# Allegro board V851S_V851SE_PER1_STD_QFN88_V1_0.brd (continued)
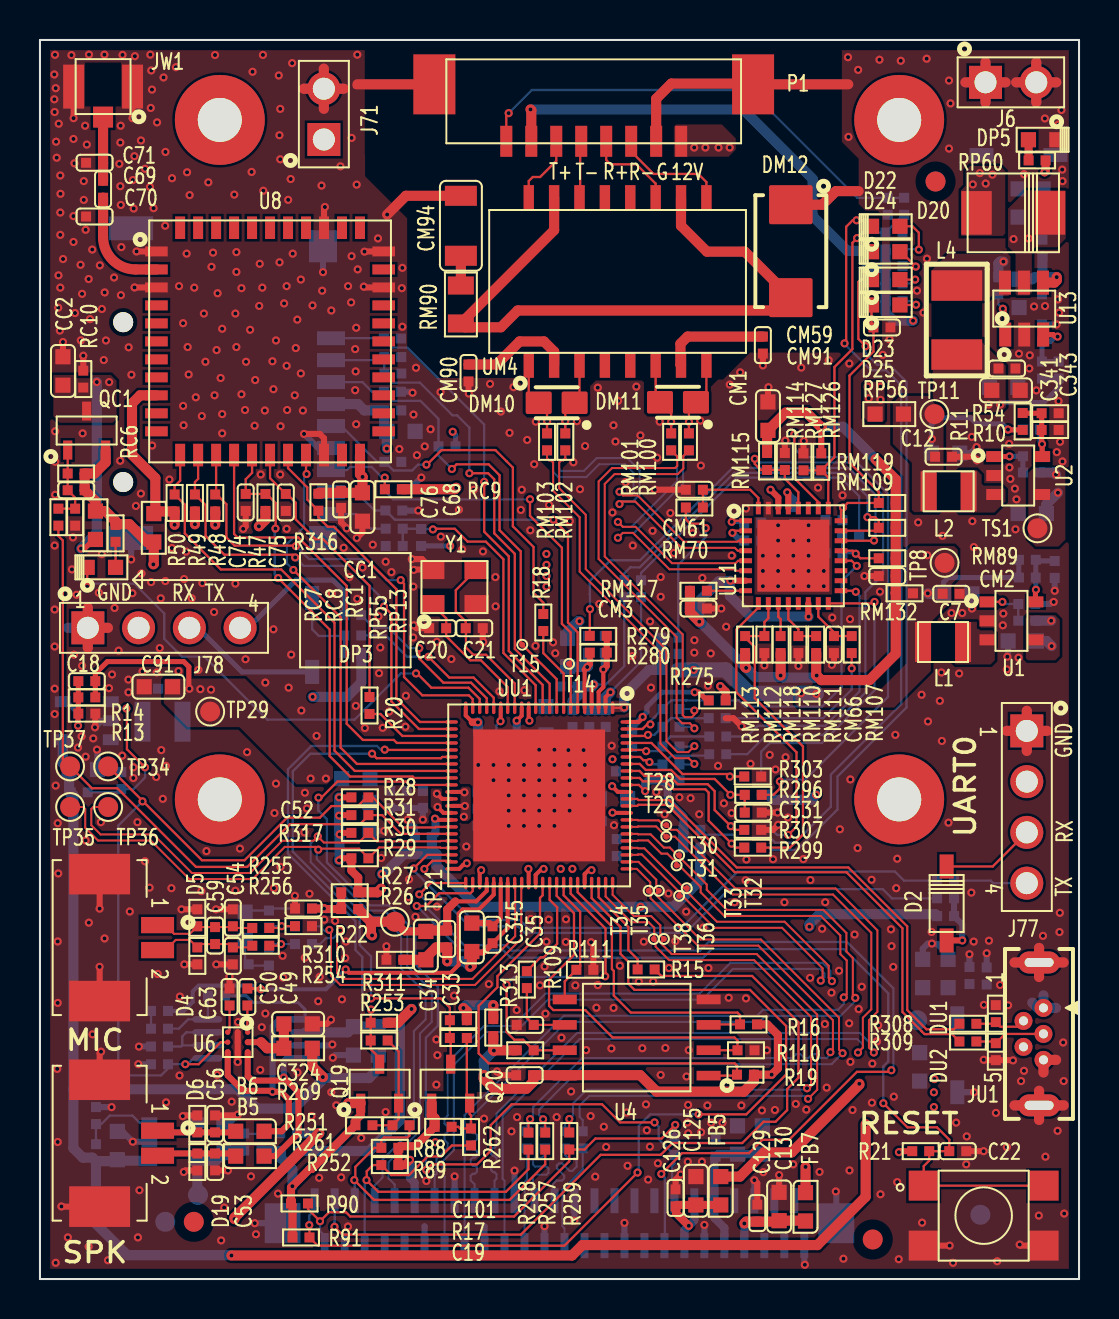
[diagram p0: board, top side]
## Footprints (pads in the part's own frame, mm; a bottom-side part is the same pattern mirrored in y, then rotated) (continued)
SUB_WIFI44B1200_1200H150
  rect 1.13x0.5 smd: 1(-5.688,4.5) 2(-5.688,3.6) 3(-5.688,2.7) 4(-5.688,1.8) 5(-5.688,0.9) 6(-5.688,0) 7(-5.688,-0.9) 8(-5.688,-1.8) 9(-5.688,-2.7) 10(-5.688,-3.6) 11(-5.688,-4.5) 23(5.688,-4.5) 24(5.688,-3.6) 25(5.688,-2.7) 26(5.688,-1.8) 27(5.688,-0.9) 28(5.688,0) 29(5.688,0.9) 30(5.688,1.8) 31(5.688,2.7) 32(5.688,3.6) 33(5.688,4.5)
  rect 0.5x1.13 smd: 12(-4.5,-5.688) 13(-3.6,-5.688) 14(-2.7,-5.688) 15(-1.8,-5.688) 16(-0.9,-5.688) 17(0,-5.688) 18(0.9,-5.688) 19(1.8,-5.688) 20(2.7,-5.688) 21(3.6,-5.688) 22(4.5,-5.688) 34(4.5,5.688) 35(3.6,5.688) 36(2.7,5.688) 37(1.8,5.688) 38(0.9,5.688) 39(0,5.688) 40(-0.9,5.688) 41(-1.8,5.688) 42(-2.7,5.688) 43(-3.6,5.688) 44(-4.5,5.688)
TP30
  round 0.3 smd: 1(0,0)
TP100
  round 1 smd: 1(0,0)
unnamed#2
  round 1 smd: 1(0,0)
unnamed#3
  round 4.5 hole 2.2: (0,0)
X4B250_320H120_SMD
  rect 0.95x1.2 smd: 1(-0.875,1.1) 2(-0.875,-1.1) 3(0.875,-1.1) 4(0.875,1.1)
ZIK_DIP_CN_UB315-F05G1BR-A_A_1
  round 0.9 hole 0.45: 1(-1.3,0) 2(-0.65,-1) 3(0,0) 4(0.65,-1) 5(1.3,0)
  oval 1.1x2.1 hole 0.45x1.45: 6(3.575,-0.22) 7(-3.575,-0.22)

## Nets
12V-IN: D20.1 D21.2 P1.1
AGND: C33.2 C34.2 C35.1 C345.2 R22.2 UU1.51(AGND)
AVCC: C33.1 C34.1 R21.2 R26.2 R315.2 TP21.1(TP) UU1.48(AVCC)
AVDD10-1: CM63.2 U11.2(AVDD10)
DVDD10-1: CM64.2 U11.29(DVDD10)
GND: C1.1 C2.1 C3.1 C4.1 C5.1 C6.1 C7.1 C9.1 C10.1 C11.1 C12.1 C14.1 C15.1 C16.1 C19.1 C20.1 C21.1 C22.1 C23.2 C24.2 C25.2 C26.2 C27.2 C28.2 C29.2 C30.2 C31.2 C50.1 C52.2 C53.2 C54.2 C56.2 C62.1 C63.1 C68.2 C70.1 C71.1 C74.2 C75.2 C76.2 C88.1 C91.1 C92.1 C93.1 C94.1 C98.2 C99.2 C100.2 C101.1 C102.2 C125.1 C126.1 C127.1 C128.1 C129.1 C130.1 C131.1 C324.1 C326.2 C327.2 C328.2 C329.2 C330.2 C331.1 C332.1 C333.1 C334.2 C335.2 C336.2 C337.2 C338.2 C339.1 C341.1 C343.1 C344.1 CC2.1 CC3.1 CD1.2 CD2.2 CD3.2 CM1.1 CM2.1 CM3.1 CM59.1 CM60.1 CM61.1 CM63.1 CM64.1 CM65.1 CM66.1 CM90.1 CM91.1 CM94.1 CS9.1 CS10.1 D4.1(ANODE) D5.1(ANODE) D6.1(ANODE) D19.1(ANODE) D21.1 DC1.1(ANODE) DC2.1(ANODE) DC3.1(ANODE) DC4.1(ANODE) DC5.1(ANODE) DC6.1(ANODE) DC7.1(ANODE) DC8.1(ANODE) DM12.2 DP4.1 DP5.2 DU1.1(ANODE) DU2.1(ANODE) DU3.1(ANODE) J5.3 J5.4 J6.1 J6.2 J24.4(GND0) J24.12(GND1) J24.15(GND2) J24.18(GND3) J24.21(GND4) J24.24(GND5) J24.27(GND6) J24.32(GND7) J24.40(GND8) J24.43(GND9) J24.45(GND10) J24.50(GND11) J24.51(GND12) J24.52(GND13) J71.2 J73.3 J73.4 J77.1 J78.1 JC1.6(VSS) JC1.10(GND1) JC1.11(GND2) JC1.12(GND3) JC1.13(GND4) JU1.5(GND) JU1.6(SHIELD1) JU1.7(SHIELD2) JW1.1(G1) JW1.2(G2) K1.2 K1.4 P1.2 P1.9(SH1) P1.10(SH2) R5.2 R8.1 R10.2 R13.2 R22.1 R36.2 R38.2 R54.2 R110.2 R111.2 R303.1 R307.1 R312.1 R317.2 RC5.2 RC8.1 RC10.1 RM106.1 RM110.2 RM112.2 RM114.2 RM120.2 RM127.2 U1.2(GND) U2.2(GND) U3.2(GND) U4.4(VSS) U5.7(GND) U6.B1(AGND1) U6.B2(AGND2) U6.B3(PGND) U8.1(GND1) U8.3(GND2) U8.20(GND3) U8.31(GND4) U8.33(GND5) U8.36(GND6) U11.31(CKXTAL1) U11.33(EPAD) U12.2(GND) U13.2(GND) UU1.89(EPAD) Y1.2(GND1) Y1.4(GND2)
VCC33-PF: RC2.2 RC3.2
VCC-5V: B4.2 C4.2 C10.2 C15.2 C93.2 C341.2 C342.2 C343.2 C344.2 FB6.2 L4.2 R3.1 R7.2 R9.1 R12.1 R98.1 R269.2 RP59.2 TS1.1(TP) U1.4(IN) U2.4(IN) U3.4(IN) U12.1(IN)
VCC-CARD0-3.3V: CC2.2 CC3.2 DC5.2(CATHODE) JC1.4(VDD) QC1.3(D) RC1.2 RC10.2
VCC-DRAM: C31.1 CD1.1 CD2.1 CD3.1 RP58.2 UU1.34(VCC_DRAM0) UU1.36(VCC_DRAM1)
VCC-IO: C98.1 C99.1 C100.1 C102.1 C334.1 R23.1 R280.1 RC9.2 RP57.2 UU1.5(VCC33_PF&PD) UU1.44(VCC_IO) UU1.47(VDD33) UU1.55(VCC-PC) UU1.78(VCC33-USB)
VCC-LDOA: C335.1 C336.1 C337.1 C338.1 J24.11(IOVDD(1.8V)) Q19.1(G) Q20.1(G) R88.2 R89.2 R90.2 R91.2 R108.2 R251.2 R252.2 R300.1 R314.1 UU1.14(VCC_LDOA&PLL) UU1.37(VDD18-DRAM) UU1.62(VCC_PA_MCSI)
VCC-PE: C88.2 R310.2 R311.2 R313.2 R314.2 UU1.22(VCC_PE)
VCC-WIFI: C68.1 C76.1 R47.1 R48.1 R49.1 R50.1 R316.1 RP13.2 U8.9(VBAT) U8.22(VDDIO)
VDD-SYS: C23.1 C24.1 C25.1 C26.1 C27.1 C28.1 C29.1 C30.1 R275.1 R278.1 R282.1 RP56.2 UU1.13(VDD_SYS0) UU1.17(VDD_SYS1) UU1.33(VDD_SYS2) UU1.35(VDD_SYS3) UU1.54(VDD_SYS4) UU1.75(VDD_SYS5)
ANT: C69.1 C70.2 U8.2(WL_BT_ANT)
CARD-PWROFF: R31.2 RC7.1 TP37.1(TP) UU1.39(PH13/JTAG_DO/TWI3_SCK/SPI3_MISO)
CPUX-RX: R106.1 UU1.42(PH10/PWM10/TWI3_SDA/UART0_RX)
CPUX-TX: R24.1 UU1.43(PH9/PWM9/TWI3_SCK/UART0_TX)
DC-IN: C1.2 C2.2 C3.2 DP4.2 DU3.2(CATHODE) JU1.1(VBUS) RP59.1 TP5.1(TP)
DCDC1-3V3: C5.2 C7.2 C8.1 C19.2 CC1.2 FB5.2 L1.2 QC1.2(S) R6.1 R16.1 R17.1 R19.1 R27.2 R28.1 R29.1 R30.1 R31.1 R239.2 R284.1 R297.1 R313.1 RC1.1 RC6.2 RM98.2 RM104.2 RM105.2 RM128.2 RM129.2 RM132.2 RP13.1 RP55.1 RP57.1 RP60.1 TP8.1(TP) U4.8(VCC)
DCDC2-0V9: C11.2 C12.2 C13.1 L2.2 R11.1 RP56.1 TP11.1(TP)
DCDC3-1V5: C18.1 C91.2 C92.2 L3.2 R14.1 RP58.1 TP29.1(TP)
DCIN-12V: CS9.2 CS10.2 D20.2 FB7.2 R4.1 U13.5(IN)
DCXO-XIN: C20.2 UU1.16(DXIN) Y1.1(XIN)
DCXO-XOUT: C21.2 UU1.15(DXOUT) Y1.3(XOUT)
EPHY-RXN: R305.1 RM100.1
EPHY-RXP: R304.1 RM101.1
EPHY-TXN: R302.1 RM102.1
EPHY-TXP: R301.1 RM103.1
GPADC0: C22.2 K1.1 K1.3 R21.1 UU1.46(GPADC0)
IR-CUT-CTRL+: J24.9(IR-CUT-CTRL+(3.3VGPIO)) R29.2 TP35.1(TP) UU1.41(PH11/JTAG_MS/TWI2_SCK/SPI3_CLK/)
IR-CUT-CTRL-: J24.7(IR-CUT-CTRL-(3.3VGPIO)) R30.2 TP36.1(TP) UU1.40(PH12/JTAG_CK/TWI2_SDA/SPI3_MOSI)
IR-LED-EN-PWM: J24.36(IR-LED_EN_PWM/GPIO) UU1.45(PH0/PWM0)
LDO-1V8: R94.2 R108.1 R315.1
LED0/PMEB: CM59.2 D25.2 RM119.2 RM120.1 U11.24(LED0_AD0)
LED1-AD1: CM60.2 D24.2 RM126.2 RM127.1 RM131.1 U11.25(LED1_AD1)
LED-REC: DP3.2 UU1.20(PE11/NCSI_D7/CSI_SM_VS/UART2_CT)
LINEOUTP: C49.1 C58.1 UU1.49(LINEOUTP)
LINK-LED: D22.2 R306.1 RM130.1
MBIAS: C52.1 R26.1 R27.1 R32.2
MCSI-CKN: J24.20(MIPI_CK0N/NCSI_D9) T29.1(TP) UU1.73(PA1/MIPIA_RX_CK0N)
MCSI-CKP: J24.19(MIPI_CK0P/NCSI_D8) T28.1(TP) UU1.74(PA0/MIPIA_RX_CK0P)
MCSI-D0N: J24.14(MIPI_D0N/NCSI_D13) T33.1(TP) UU1.69(PA5/MIPIA_RX_D0N)
MCSI-D0P: J24.13(MIPI_D0P/NCSI_D12) T32.1(TP) UU1.70(PA4/MIPIA_RX_D0P)
MCSI-D1N: J24.17(MIPI_D1N/NCSI_D10) T30.1(TP) UU1.72(PA2/MIPIA_RX_D1N)
MCSI-D1P: J24.16(MIPI_D1P/NCSI_D11) T31.1(TP) UU1.71(PA3/MIPIA_RX_D1P)
MIC1N-MIC: C59.1 C63.2 D4.2(CATHODE) J5.2 R256.1
MIC1P-MIC: C54.1 C59.2 D5.2(CATHODE) J5.1 R255.1
MICIN1N: C61.2 UU1.52(MICIN1N)
MICIN1P: C57.2 UU1.53(MICIN1P)
MIPI-CSI-D2N: J24.23(MIPI_D2N/NCSI_D14) R263.2
MIPI-CSI-D2P: J24.22(MIPI_D2P/NCSI_D15) R264.2
MIPI-CSI-D3N: J24.26(MIPI_D3N/TWI3_SCK) R265.2
MIPI-CSI-D3P: J24.25(MIPI_D3P/TWI3_SDA) R266.2
MIPI-CSI-MCLK0: J24.3(MIPI_MCLK0/NCSI_D0) R15.2
MIPI-CSI-PWDN0: J24.2(MIPI_PWDN0/NCSI_D7) R90.1 R259.2 R268.2
MIPI-CSI-SCK: J24.5(TWI1_SCK/NCSI_D2) R88.1 R257.2 R261.2
MIPI-CSI-SDA: J24.6(TWI1_SDA/NCSI_D3) R89.1 R258.2 R262.2
PA6: R257.1 R263.1 T35.1(TP) UU1.68(PA6/MIPIB_RX_D0N/TWI1_SCK/PWM0)
PA7: R258.1 R264.1 T34.1(TP) UU1.67(PA7/MIPIB_RX_D0P/TWI1_SDA/PWM1)
PA8: R265.1 T36.1(TP) UU1.66(PA8/MIPIB_RX_D1N/TWI4_SCK/TWI3_)
PA9: R259.1 R266.1 T38.1(TP) UU1.65(PA9/MIPIB_RX_D1P/TWI4_SDA/TWI3_)
PA11: J24.1(MIPI_RSTN0/NCSI_D6) R91.1 UU1.63(PA11/MIPIB_RX_CK0P/MIPI_CSI_MCL)
PA-SHDN: R28.2 R36.1 TP34.1(TP) U5.1(SHDN#) U6.C2(CTRL) UU1.38(PH14/JTAG_DI/TWI3_SDA/SPI3_CS0/)
PE8-TWI1-SCK: Q19.3(D) R254.1 R310.1 UU1.27(PE8/NCSI_D4/MDC/PWM8/WIEGAND_D0)
PE9-TWI1-SDA: Q20.3(D) R253.1 R311.1 UU1.28(PE9/NCSI_D5/MDIO/PWM9/WIEGAND_D)
PHY-AVDD33: CM1.2 CM2.2 CM3.2 RM89.1 RM109.2 RM111.1 RM113.1 RM115.1 RM117.1 RM118.1 RM119.1 RM126.1 RM132.1 U11.7(AVDD33_0) U11.14(DVDD33) U11.30(AVDD33)
PHYRSTB: CM65.2 RM89.2 RM108.2 U11.21(PHYRSTB)
RMII-25MOUT: R283.1 RM70.2
RMII-CRS-DV: R296.1 U11.26(CRS/CRS_DV)
RMII-MDC: R279.1 U11.22(MDC)
RMII-MDI0+: RM94.1 U11.3(MDI[0]+)
RMII-MDI0-: RM95.1 U11.4(MDI[0]-)
RMII-MDI1+: RM96.1 U11.5(MDI[1]+)
RMII-MDI1-: RM97.1 U11.6(MDI[1]-)
RMII-MDIO: R277.1 RM109.1 U11.23(MDIO)
RMII-RESET: R281.1 RM108.1
RMII-RXD0: R295.1 U11.9(RXD0)
RMII-RXD1: R299.1 RM112.1 RM113.2 U11.10(RXD1)
RMII-RXER: R293.1 RM114.1 RM115.2 U11.28(RXER/FXEN)
RMII-TXCK: R287.1 RM107.1
RMII-TXD0: R289.1 U11.16(TXD0)
RMII-TXD1: R291.1 U11.17(TXD1)
RMII-TXEN: R285.1 U11.20(TXEN)
RSET: RM106.2 U11.1(RSET)
RX+: P1.4 UM4.11(RX+)
RX-: P1.3 UM4.9(RX-)
RXD2/INTB: RM118.2 U11.11(RXD2/INTB)
RXD3: RM110.1 RM111.2 U11.12(RXD3/CLK_CTL)
RXDV: RM117.2 U11.8(RXDV)
SDC0-CLK: DC3.2(CATHODE) JC1.5(CLK) R18.2
SDC0-CMD: DC8.2(CATHODE) JC1.3(CMD) RC3.1 T15.1(TP) UU1.9(PF3/SDC0_CMD/JTAG_DO/SPI0_CS0/S)
SDC0-D0: DC2.2(CATHODE) JC1.7(DAT0) RC9.1 T14.1(TP) UU1.7(PF1/SDC0_D0/JTAG_DI/SPI0_MOSI/S)
SDC0-D1: DC1.2(CATHODE) JC1.8(DAT1) UU1.6(PF0/SDC0_D1/JTAG_MS/SPI0_CLK/SP)
SDC0-D2: DC7.2(CATHODE) JC1.1(DAT2) UU1.11(PF5/SDC0_D2/JTAG_CK)
SDC0-D3: DC6.2(CATHODE) JC1.2(DAT3) RC5.1 UU1.10(PF4/SDC0_D3/UART0_RX/SPI0_CS1/S)
SDC0-DET: DC4.2(CATHODE) J71.1 RC2.1 RC4.2 UU1.12(PF6/DBG_CLK)
SPD-LED: D23.2 R298.1
SPI0-CLK: C101.2 R109.2 U4.6(CLK)
SPI0-CS0: R19.2 U4.1(CS#) UU1.56(PC1/SPF_CS0/SDC2_CMD/SPI0_CS0)
SPI0-HOLD: R17.2 U4.7(HOLD#) UU1.60(PC5/SPF_HOLD/SDC2_D3/SPI0_HOLD/)
SPI0-MISO: R110.1 U4.2(MISO) UU1.58(PC3/SPF_MISO/SDC2_D1/SPI0_MISO/)
SPI0-MOSI: R111.1 U4.5(MOSI) UU1.59(PC2/SPF_MOSI/SDC2_D2/SPI0_MOSI/)
SPI0-WP: R16.2 U4.3(WP#) UU1.61(PC4/SPF_WP/SDC2_D0/SPI0_WP/PWM4)
SPK+: B5.1 U5.8(VO2) U6.A3(VOP)
SPK-: B6.1 R34.2 U5.5(VO1) U6.C3(VON)
TX+: P1.6 UM4.16(TX+)
TX-: P1.5 UM4.14(TX-)
TX-CLK: CM66.2 RM107.2 U11.15(TXC)
UART0-RX: D2.2 J77.3
UART0-TX: J77.4 R24.2
UART3-RX: R238.1 UU1.18(PE13/NCSI_D9/MIPI_CSI_MCLK1/UAR)
UART3-TX: R237.1 UU1.19(PE12/NCSI_D8/MIPI_CSI_MCLK0/UAR)
USB0-DM: R308.1 UU1.77(USB0_DM)
USB0-DP: R309.1 UU1.76(USB0_DP)
VRA1: C35.2 C345.1 UU1.50(VRA1)
WL-REG-ON: R50.2 U8.12(WL_REG_ON) UU1.30(PE6/NCSI_D2/RMII_TXEN/PWM6/UART)
WL-SDIO-CLK: C75.1 R20.1 U8.17(SDIO_DATA_CLK)
WL-SDIO-CMD: C74.1 R47.2 U8.16(SDIO_DATA_CMD) UU1.31(PE1/NCSI_MCLK/RMII_TXCK/I2S1_BC)
WL-SDIO-D0: R316.2 U8.18(SDIO_DATA_0) UU1.23(PE2/NCSI_HSYNC/RMII_CRS_DV/I2S1)
WL-SDIO-D1: U8.19(SDIO_DATA_1) UU1.29(PE3/NCSI_VSYNC/RMII_RXD0/I2S1_D)
WL-SDIO-D2: R48.2 U8.14(SDIO_DATA_2) UU1.21(PE4/NCSI_D0/R/RMII_TXD0/I2S1_DO)
WL-SDIO-D3: U8.15(SDIO_DATA_3) UU1.26(PE5/NCSI_D1/RMII_TXD1/PWM5/SDC1)
WL-WAKE-AP: R49.2 U8.13(WL_HOST_WAKE) UU1.24(PE7/NCSI_D3/RMII_RXER/PWM7/UART)
WRITE-LED-EN-PWM: J24.37(GPIO) R268.1 UU1.32(PE10/NCSI_D6/EPHY_25M/PWM10/UAR)
XTAL2: CM61.2 RM70.1 U11.32(CKXTAL2)
N19690820: C8.2 R5.1 R6.2 U1.5(FB)
N19690853: L1.1 U1.3(LX)
N19693512: C13.2 R10.1 R11.2 R54.1 U2.5(FB)
N19693534: L2.1 U2.3(LX)
N19707906: C6.2 R3.2 U1.1(EN)
N19708424: C9.2 R9.2 U2.1(EN)
N19757553: C16.2 R94.1 TP12.1(TP) U12.5(OUT)
N19757724: C14.2 R12.2 U12.3(EN)
N19777048: C69.2 C71.2 JW1.3(TX/RX)
N19799486: CC1.1 QC1.1(G) RC6.1 RC7.2 RC8.2
N19799669: JC1.9(CD#) RC4.1
N19944591: DU2.2(CATHODE) JU1.3(D+) R309.2
N19944616: DU1.2(CATHODE) JU1.2(D-) R308.2
N19947916: C18.2 R13.1 R14.2 U3.5(FB)
N19947953: L3.1 U3.3(LX)
N19948107: C94.2 R98.2 U3.1(EN)
N20071344: C57.1 R33.2 R255.2 R317.1
N20071346: C61.1 R37.2 R256.2
N20071621: C60.2 R32.1 R33.1
N20071647: C60.1 R37.1 R38.1
N20072707: D2.1 R23.2 R106.2
N20075664: B6.2 C56.1 D6.2(CATHODE) J73.1
N20075677: B4.1 C62.2 U5.6(VDD)
N20075684: B5.2 C53.1 D19.2(CATHODE) J73.2
N20075692: R34.1 R35.2 U5.4(IN-)
N20075694: C131.2 U5.2(BYPASS) U5.3(IN+)
N20075795: C58.2 R35.1
N20076696: C49.2 U6.A1(INP)
N20076701: C50.2 U6.C1(INN)
N20076983: C324.2 R269.1 U6.A2(VDD)
N20080221: Q19.2(S) R251.1 R254.2 R261.1
N20080254: Q20.2(S) R252.1 R253.2 R262.1
N20089362: DM10.1 RM94.2 RM103.2 UM4.1(TD+)
N20089370: DM10.2 RM95.2 RM102.2 UM4.3(TD-)
N20089378: DM11.1 RM96.2 RM101.2 UM4.6(RD+)
N20089380: DM11.2 RM97.2 RM100.2 UM4.8(RD-)
N20089454: CM90.2 UM4.2(TCT)
N20089468: CM91.2 UM4.7(RCT)
N20089530: DM12.1 RM90.1 UM4.10(RCM) UM4.15(TCM)
N20089542: CM94.2 RM90.2
N20117400: C125.2 C126.2 FB5.1 J24.38(VCC-3V3_0) J24.39(VCC-3V3_1)
N20117404: C127.2 C128.2 FB6.1 J24.41(VCC-5V-0) J24.42(VCC-5V-1)
N20118452: C129.2 C130.2 FB7.1 J24.44(VCC-12V)
N20126497: D22.1 RM98.1
N20126683: D23.1 RM104.1
N20130207: D24.1 RM129.1
N20130411: D25.1 RM128.1
N20132480: J78.4 R237.2
N20132488: D18.2 J78.3
N20132490: D18.1 R238.2 R239.1
N20133291: DP3.1 RP55.2
N20143336: R20.2 UU1.25(PE0/NCSI_PCLK/RMII_RXD1/I2S1_MC)
N20144528: C331.2 C333.2 R296.2 R297.2 UU1.82(PD3/LCD_D5/PWM2/RMII_CRS_DV/DSI)
N20144565: C326.1 R275.2 UU1.88(VDD_SYS6)
N20144574: C327.1 R277.2 R278.2 UU1.4(PD21/LCD_VSYNC/MDIO/SPI2_CS0/TW)
N20144622: C328.1 R279.2 R280.2 UU1.3(PD20/LCD_HSYNC/PWM10/MDC/SPI2_M)
N20144670: C329.1 R281.2 R282.2 UU1.2(PD19/LCD_DE/PWM9/TCON_TRIG/SPI2)
N20144718: C330.1 R283.2 R284.2 UU1.1(PD18/LCD_CLK/EPHY_25M/SPI2_CLK/)
N20144766: R285.2 R305.2 UU1.87(PD8/LCD_D12/PWM7/RMII_TXEN)
N20144784: R287.2 R304.2 UU1.86(PD7/LCD_D11/PWM6/RMII_TXCK/DSI_)
N20144810: R289.2 R303.2 UU1.85(PD6/LCD_D10/PWM5/RMII_TXD0/DSI_)
N20144816: R291.2 R302.2 UU1.84(PD5/LCD_D7/PWM4/RMII_TXD1/DSI_C)
N20144842: R293.2 R301.2 UU1.83(PD4/LCD_D6/PWM3/RMII_RXER/DSI_D)
N20144848: R295.2 R307.2 UU1.81(PD2/LCD_D4/PWM1/RMII_RXD0/DSI_D)
N20144923: R298.2 R299.2 UU1.80(PD1/LCD_D3/PWM0/RMII_RXD1/DSI_D)
N20144951: C332.2 R300.2 R306.2 UU1.79(VCC18_MDSI)
N20147418: R109.1 UU1.57(PC0/SPF_CLK/SDC2_CLK/SPI0_CLK)
N20147728: R15.1 UU1.64(PA10/MIPIB_RX_CK0N/MIPI_CSI_MCL)
N20158515: C339.2 R4.2 R312.2 U13.4(EN)
N20158521: C342.1 R7.1 R8.2 U13.3(FB)
N20158531: C340.2 L4.1 U13.6(LX)
N20158533: C340.1 U13.1(BS)
N20159510: P1.8 RM130.2 RM131.2
N20159587: P1.7 RM105.1
N20192813: DP5.1 RP60.2
N20209636: R18.1 UU1.8(PF2/SDC0_CLK/UART0_TX/SPI0_MISO)

Pads without a net: J24 8 10 28 29 30 31 33 34 35 46 47 48 49; J77 2; J78 2; JU1 4; NOREF#2 1; NOREF#10 1; NOREF#13 1; NOREF#14 1; NOREF#15 1; NOREF#17 1; U8 4 5 6 7 8 10 11 21 23 24 25 26 27 28 29 30 32 34 35 37 38 39 40 41 42 43 44; U11 13 18 19 27; U12 4; UM4 4 5 12 13

## Via types
v1: diameter 0.406, hole 0.203, TOP to BOTTOM, 1010 vias

## Routing (per net, layer and track width the routed paths; a pad name or vN(x,y) marks a point on that pad's centre or on a via; arc(x,y) is an arc through that point)
12V-IN:
  vias: v1(32.74,56.62) v1(33.3,56.62) v1(33.96,56.62) v1(34.52,56.62) v1(46.68,54.77) v1(47.03,55.34) v1(47.33,54.82) v1(47.66,55.26)
AGND: length 9.8
  TOP w0.203: UU1.51 23.41,17.56 C35.1
  TOP w0.305: C345.2 21.66,16.34 22.19,16.34 C35.1
  TOP w0.508: v1(21.52,15.62) 21.61,15.71 C345.2 ; R22.2 18.19,15.97 C34.2 19.31,16.08 19.82,16.59 C33.2 v1(20.38,15.9)
  BOTTOM w0.508: v1(20.38,15.9) 21.25,15.9 v1(21.52,15.62)
AVCC: length 65.8
  TOP w0.203: 20.79,18.9 21.83,18.9 22.36,19.42 UU1.48
  TOP w0.305: v1(42.99,6.35) 43.04,6.4 R21.2
  TOP w0.406: TP21.1 18.25,17.39 C34.1 ; C33.1 20.38,18.49 20.79,18.9
  TOP w0.508: R26.2 16.56,17.88 ; 16.56,17.88 TP21.1 ; 16.56,17.88 16.56,17.25 v1(16.62,17.19) ; C33.1 19.36,17.44 C34.1 ; v1(9.74,3) 9.74,3.07 13.96,7.3 v1(13.98,7.3)
  PWR03 w0.508: v1(13.98,7.3) 15.31,7.3 17.2,9.18 17.2,14.31 16.62,14.89 v1(16.62,17.19) ; v1(9.74,3) 9.76,2.97 9.76,2.26 10.46,1.57 38.21,1.57 v1(42.99,6.35)
  BOTTOM w0.508: R315.2 v1(13.98,7.3)
AVDD10-1: length 1.5
  TOP w0.114: U11.2 34.76,37.44 v1(34.65,37.33)
  BOTTOM w0.305: v1(34.65,37.33) 35.03,36.95 CM63.2
DVDD10-1: length 1.7
  TOP w0.305: v1(37.4,39.37) 37.45,39.31 U11.29
  BOTTOM w0.305: v1(37.4,39.37) 37.74,39.02 CM64.2
GND: length 225
  TOP w0.305: J73.3 2.99,11.31 v1(3.06,11.38) ; U8.3 v1(4.73,49.62) ; v1(16.24,51.41) 16.25,51.42 U8.33 ; v1(47.23,10.97) 47.25,10.95 DU2.1 48.68,10.95 v1(48.69,10.94) ; U8.20 14.22,42.07 14,42.29 v1(13.22,42.29) ; C130.1 v1(36.99,5.2) ; v1(35.75,4.95) 35.9,4.8 C129.1 ; CC2.1 v1(1.15,46.89) ; v1(15.35,37.56) 15.35,37.59 15.07,37.87 C76.2 ; C21.1 22.16,31.9 v1(22.18,31.87) ; CM61.1 v1(30.77,39.49) ; RM127.2 38.21,41.91 v1(38.23,41.93) ; C56.2 9.82,8.19 9.86,8.23 v1(9.9,8.23) ; v1(9.48,15.14) 9.49,15.13 C50.1 ; C63.1 v1(8.82,15.74) ; v1(22.87,10.39) 23.05,10.2 C19.1 ; R22.1 v1(17.34,16.65) ; RM112.2 v1(36.25,30.71) ; 34.32,28.06 34.7,28.06 v1(35.11,27.66) ; C12.1 46.72,41.14 v1(46.9,40.97) ; C20.1 18.85,32.57 v1(18.7,32.71) ; C68.2 16.14,37.36 v1(15.86,37.08) ; v1(9.9,10.86) U6.B3 U6.B2 U6.B1 ; v1(14.56,12.98) 14.35,12.77 C324.1 ; v1(2.75,27.61) 2.77,27.63 R13.2 ; CM91.1 v1(36.18,45.72) ; v1(37.3,41.95) 37.28,41.93 RM114.2 ; U8.36 14.22,53.6 v1(14.26,53.64) ; CM66.1 39.73,30.86 39.63,30.76 v1(39.63,30.73) ; D19.1 7.27,5.43 v1(7.2,5.36) ; R307.1 36.69,22.48 v1(36.94,22.73) ; C74.2 10.3,37.67 v1(10.17,37.54) ; 15.8,59.69 15.89,59.78 ; CM2.1 v1(41.26,35.18) ; U8.1 v1(4.83,51.42) ; C54.2 v1(8.81,18.5) ; v1(32.06,5.23) 31.81,4.98 C126.1 ; C53.2 v1(9.41,5.43) ; JW1.2 v1(1.68,58.09) ; CM1.1 36.43,44.57 36.46,44.6 v1(36.46,44.62) ; v1(7.15,8.15) 7.17,8.15 7.21,8.19 D6.1 ; J5.3 v1(2.99,18.53) ; RC10.1 v1(2.17,46.2) ; K1.2 v1(45.53,1.67) ; R111.2 27.69,16.23 27.69,16.74 v1(27.58,16.85) ; D4.1 v1(7.22,15.74) ; v1(12.76,19.17) 12.76,19.17 C52.2 ; U8.31 16.24,49.62 v1(16.21,49.66) ; D5.1 v1(7.08,18.5) ; v1(1.07,3.63) 1.08,3.62 J73.4 ; v1(18.7,35.48) 18.72,35.5 Y1.4 19.12,36.03 v1(18.61,36.03) ; J5.4 v1(2.99,15.62) ; C331.1 v1(36.91,23.34) ; CM3.1 v1(34.1,33.55) ; C22.1 v1(47.23,6.4) ; RM110.2 v1(37.96,30.68) ; v1(21.46,44.31) 21.45,44.32 CM90.1 ; v1(49.03,1.72) 49.08,1.67 K1.4 ; JW1.1 v1(4.63,58.09)
  TOP w0.508: JU1.7 50,16.57 ; JU1.7 48.77,15.84 ; JU1.7 50,15.11 ; JU1.7 51.23,15.84 ; J77.1 50.39,27.43 ; J77.1 49.39,28.43 ; J77.1 48.38,27.43 ; J77.1 49.39,26.43 ; 50.22,10.34 JU1.5 50.85,10.97 ; J6.2 50.86,59.88 ; J6.2 49.86,60.88 ; J6.2 48.86,59.88 ; J6.2 49.86,58.88 ; 48.77,8.69 JU1.6 ; JU1.6 51.23,8.69 ; JU1.6 50,9.42 ; JU1.6 50,7.96 ; 47.32,58.88 J6.1 ; J6.1 46.32,59.88 ; J6.1 48.32,59.88 ; J6.1 47.32,60.88 ; v1(17.37,53.26) 18.31,54.2 CM94.1 ; J71.2 15.21,59.56 ; J71.2 13.2,59.56 ; J71.2 14.21,58.56 ; J71.2 14.21,60.56 ; 15.89,59.78 P1.10 ; 40.45,59.78 P1.9 35.65,59.82 31.6,59.82 30.84,59.06 P1.2 ; 40.97,54.44 39.84,54.44 39.16,53.76 DM12.2 ; 2.4,31.58 J78.1 ; J78.1 3.4,32.59 ; J78.1 2.4,33.59
  GND02 w0.508: J6.2 49.86,60.88 ; J6.2 49.86,58.88 ; J6.2 50.86,59.88 ; J6.2 48.86,59.88 ; 47.32,58.88 J6.1 ; J6.1 47.32,60.88 ; J6.1 48.32,59.88 ; J6.1 46.32,59.88 ; 50.9,16.24 JU1.7 49.1,15.44 ; 48.38,27.43 J77.1 ; J77.1 50.39,27.43 ; J77.1 49.39,26.43 ; J77.1 49.39,28.43 ; 49.1,8.29 JU1.6 50.9,9.09 ; 1.39,32.59 J78.1 ; J78.1 3.4,32.59 ; J78.1 2.4,33.59 ; J78.1 2.4,31.58 ; 13.2,59.56 J71.2 ; J71.2 14.21,60.56 ; J71.2 15.21,59.56 ; J71.2 14.21,58.56 ; 49.88,10.63 JU1.5 50.56,11.3
  PWR03 w0.508: 50.9,16.24 JU1.7 49.1,15.44 ; 49.86,58.88 J6.2 ; J6.2 49.86,60.88 ; J6.2 50.86,59.88 ; J71.2 14.21,60.56 ; J71.2 13.2,59.56 ; J71.2 15.21,59.56 ; J71.2 14.21,58.56 ; 49.88,10.63 JU1.5 50.56,11.3 ; 49.1,8.29 JU1.6 50.9,9.09 ; 2.4,31.58 J78.1 ; J78.1 1.39,32.59 ; J78.1 2.4,33.59 ; J78.1 3.4,32.59
  BOTTOM w0.305: v1(2.85,26.49) 2.88,26.47 C93.1 ; C1.1 45.45,16.23 44.92,16.76 44.66,16.76 v1(44.64,16.79) 44.43,16.79 44.18,16.53 C3.1 ; CD2.2 CD1.2 CD3.2 v1(19.16,22.98) ; JC1.6 13.93,41.58 v1(13.22,42.29) ; v1(18.4,22.98) 18.76,22.62 C337.2 ; v1(38.28,0.71) 38.25,0.74 J24.50 ; v1(2.75,27.61) 3.08,27.94 U3.2 ; v1(17.23,22.43) 17.23,22.43 C31.2 ; v1(46.87,41.63) 46.57,41.32 C11.1 ; J24.45 v1(35.75,4.95) ; J24.12 19.25,2.62 19.24,2.64 ; v1(48.41,31.14) 48.45,31.18 C4.1 ; v1(14.66,11.07) 14.79,11.21 C62.1 ; R36.2 4.93,10.75 v1(4.92,10.75) ; U12.2 v1(4.65,6.87) 4.13,7.39 C15.1 ; R38.2 v1(8.82,15.74) ; DU3.1 v1(47.38,16.3) ; J24.51 v1(10.75,2.79) ; DC1.1 v1(18.93,38.45) ; v1(50.73,33.88) 50.66,33.88 50.55,33.78 C6.1 ; C16.1 9.41,7.74 v1(9.9,8.23) ; J24.15 v1(20.75,5.14) ; J24.32 v1(29.25,2.81) ; C5.1 v1(46.64,33.55) ; JC1.12 v1(4.56,36.01) ; v1(4.95,11.63) 4.96,11.64 C131.1 ; R5.2 v1(50.78,34.44) ; J24.18 22.25,2.63 22.26,2.64 ; JC1.11 v1(14.16,50.38) ; J24.40 v1(33.25,2.71) ; J24.52 39.85,4.36 v1(39.83,4.38) ; DC8.1 18.6,44.4 v1(18.64,44.35) ; v1(19.08,40.1) 18.5,39.52 DC2.1 ; C14.1 v1(3.58,8.6) ; v1(14.63,11.74) 14.59,11.69 U5.7 ; R8.1 v1(50.88,47.76) ; J24.24 v1(25.25,2.64) ; C2.1 v1(46.52,16.25) ; J24.27 26.75,2.93 v1(26.74,2.92) ; C331.1 v1(36.91,23.34) ; J24.21 v1(23.75,5.43) ; DP4.1 v1(46.74,9.35)
  BOTTOM w0.508: J6.2 49.86,60.88 ; J6.2 49.86,58.88 ; J6.2 50.86,59.88 ; J6.2 48.86,59.88 ; JU1.7 51.23,15.84 ; JU1.7 50,16.57 ; JU1.7 48.77,15.84 ; 48.38,27.43 J77.1 ; J77.1 49.39,28.43 ; J77.1 49.39,26.43 ; J77.1 50.39,27.43 ; 50.22,10.34 JU1.5 50.85,10.97 ; 13.2,59.56 J71.2 ; J71.2 15.21,59.56 ; J71.2 14.21,60.56 ; J71.2 14.21,58.56 ; J78.1 2.4,33.59 ; J78.1 1.39,32.59 ; J78.1 2.4,31.58 ; J78.1 3.4,32.59 ; 46.32,59.88 J6.1 ; J6.1 48.32,59.88 ; J6.1 47.32,58.88 ; J6.1 47.32,60.88 ; JU1.6 51.23,8.69 ; JU1.6 50,9.42 ; JU1.6 50,7.96 ; JU1.6 48.77,8.69
  vias: v1(0.72,60.27) v1(0.72,59.03) v1(0.74,58.39) v1(0.74,36.7) v1(0.74,33.5) v1(0.74,31.65) v1(0.74,29.54) v1(0.74,28.27) v1(0.75,61.26) v1(0.79,59.59) v1(0.81,56.91) v1(0.84,56.11) v1(0.76,42.42) v1(0.76,40.89) v1(0.76,39.24) v1(0.79,24.69) v1(0.79,0.81) v1(0.94,57.81) v1(0.93,50.22) v1(0.91,48.61) v1(0.89,22.81) v1(0.91,20.29) v1(0.89,16.89) v1(0.89,13.82) v1(0.86,10.52) v1(0.89,6.86) v1(1.02,55.22) v1(1.03,54.3) v1(1.02,53.37) v1(1.02,52.25) v1(1.02,49.61) v1(1,47.46) v1(1.16,51.04) v1(1.4,2.08) v1(1.57,61.24) v1(1.6,35.51) v1(1.68,57.05) v1(1.73,55.83) v1(1.68,53.19) v1(1.68,51.89) v1(1.65,37.11) v1(1.7,31.24) v1(1.75,48.34) v1(1.83,34.24) v1(1.91,26.59) v1(2.03,50.75) v1(2.04,46.97) v1(2.11,49.3) v1(2.13,42.32) v1(2.11,30.68) v1(2.08,27.15) v1(2.19,54.94) v1(2.19,54) v1(2.26,57.71) v1(2.35,56.77) v1(2.29,52.5) v1(2.29,26.14) v1(2.29,21.95) v1(2.44,50.04) v1(2.45,17.83) v1(2.44,1.63) v1(2.45,61.27) v1(2.5,48.03) v1(2.62,51.51) v1(2.63,12.24) v1(2.67,27.05) v1(2.95,34.34) v1(3,50.72) v1(3.05,22.86) v1(3.1,48.54) v1(3.1,36.27) v1(3.23,61.26) v1(3.24,49.37) v1(3.19,45.98) v1(3.23,17.04) v1(3.3,46.96) v1(3.4,0.94) v1(3.45,29.57) v1(3.61,30.25) v1(3.71,50.11) v1(3.73,33.58) v1(3.94,31.45) v1(4.04,57.71) v1(4.02,56.87) v1(3.97,55.8) v1(4.02,54.68) v1(4.05,53.74) v1(4.01,40.94) v1(4.13,61.25) v1(4.07,51.64) v1(4.05,49.23) v1(4.11,26.19) v1(4.44,46.62) v1(4.43,29.99) v1(4.43,29.36) v1(4.5,18.39) v1(4.65,54.99) v1(4.58,45.25) v1(4.62,34.32) v1(4.75,61.19) v1(4.72,56.18) v1(4.69,53.57) v1(4.67,25.6) v1(4.67,25.07) v1(4.8,38.68) v1(4.88,22.86) v1(4.9,2.08) v1(4.98,4.45) v1(5.05,56.97) v1(5.05,39.3) v1(5.08,35.31) v1(5.13,30.4) v1(5.26,55.55) v1(5.26,20.9) v1(5.52,61.26) v1(5.54,58.6) v1(5.5,54.65) v1(5.49,19.58) v1(5.57,60.47) v1(5.61,59.52) v1(5.61,41.71) v1(5.56,34.87) v1(5.69,53.58) v1(5.84,30.35) v1(5.82,25.12) v1(5.86,57.88) v1(5.89,15.27) v1(6.05,34.06) v1(5.99,31.57) v1(6.07,26.47) v1(6.15,24.03) v1(6.18,60.12) v1(6.28,56.4) v1(6.27,52.7) v1(6.27,34.92) v1(6.3,25.68) v1(6.31,8.84) v1(6.48,40.01) v1(6.61,55.08) v1(6.6,36.58) v1(6.58,19.56) v1(6.8,60.64) v1(6.93,30.42) v1(6.96,49.68) v1(7,14.13) v1(6.99,10.19) v1(7.16,47.83) v1(7.16,43.69) v1(7.19,42.72) v1(7.21,35.03) v1(7.34,51.31) v1(7.32,36.4) v1(7.36,55.38) v1(7.39,46.63) v1(7.44,45.26) v1(7.49,54.24) v1(7.59,34.06) v1(7.72,49.61) v1(7.8,44.12) v1(7.93,30.48) v1(8.1,43.18) v1(8.13,34.82) v1(8.08,19.41) v1(8.2,48.31) v1(8.28,45.9) v1(8.33,21.41) v1(8.43,54.88) v1(8.59,50.65) v1(8.66,51.36) v1(8.74,44.22) v1(8.71,33.38) v1(8.76,61.25) v1(8.84,46.48) v1(8.89,49.33) v1(8.86,10.21) v1(9.04,45.09) v1(9.12,47.55) v1(9.12,43.28) v1(9.12,42.32) v1(9.07,1.93) v1(9.22,3.58) v1(9.6,8.87) v1(9.72,54.26) v1(9.83,51.38) v1(9.83,50.39) v1(9.78,48.31) v1(9.83,46.63) v1(9.78,34.8) v1(9.78,19.43) v1(9.91,12.86) v1(10.01,21.54) v1(10.08,49.58) v1(10.08,44.27) v1(10.31,45.9) v1(10.26,43.48) v1(10.29,31.01) v1(10.36,26.37) v1(10.52,47.5) v1(10.64,60.41) v1(10.59,55.4) v1(10.56,5.14) v1(10.74,42.7) v1(10.77,44.98) v1(10.81,2.24) v1(11,50.8) v1(10.97,48.69) v1(11.05,40.26) v1(11.02,10.46) v1(11.13,49.61) v1(11.1,12.6) v1(11.16,61.25) v1(11.18,54.46) v1(11.25,43.46) v1(11.28,29.84) v1(11.28,13.28) v1(11.63,45.92) v1(11.68,44.53) v1(11.68,32.51) v1(11.73,23.32) v1(11.71,19.56) v1(11.81,46.96) v1(11.81,24.79) v1(11.91,4.28) v1(11.95,60.22) v1(12.02,58.55) v1(11.98,57.23) v1(12.02,56.03) v1(11.99,50.88) v1(12.04,42.67) v1(12.02,40.26) v1(12.04,20.62) v1(12.14,16.17) v1(12.22,48.82) v1(12.17,15.09) v1(12.34,49.68) v1(12.34,45.69) v1(12.35,37.54) v1(12.42,54) v1(12.37,43.48) v1(12.45,29.59) v1(12.55,55.04) v1(12.62,60.84) v1(12.65,51.31) v1(12.57,31.24) v1(12.8,46.58) v1(12.75,44.22) v1(12.88,48.01) v1(12.88,10.34) v1(13.06,50.01) v1(13.06,45.31) v1(13.08,28.45) v1(13.16,43.46) v1(13.23,22.35) v1(13.26,24.33) v1(13.26,16.08) v1(13.36,23.55) v1(13.49,19.28) v1(13.64,48.72) v1(13.59,8.15) v1(13.84,27.18) v1(13.93,13.9) v1(14,15.12) v1(13.97,5.06) v1(14.09,54.71) v1(14.12,49.45) v1(14.23,17.98) v1(14.58,48.46) v1(14.61,34.29) v1(14.58,9.35) v1(14.77,17.92) v1(14.83,8.69) v1(15.04,55.68) v1(15.11,14) v1(15.07,5.09) v1(15.2,36.59) v1(15.32,16.89) v1(15.28,16.06) v1(15.42,49.68) v1(15.41,2.63) v1(15.48,35.12) v1(15.6,57.1) v1(15.6,51.18) v1(15.57,48.87) v1(15.85,54.76) v1(15.82,47.6) v1(15.77,46.53) v1(15.8,45.42) v1(15.77,44.48) v1(15.82,42.77) v1(15.81,28.68) v1(15.88,61.26) v1(15.9,50.52) v1(15.88,34.04) v1(16.14,35.6) v1(16.08,7.06) v1(16.26,27.57) v1(16.65,36.74) v1(16.92,52.07) v1(16.94,33.16) v1(17.03,31.6) v1(16.97,30.32) v1(17.08,21.07) v1(17.15,27.58) v1(17.3,35.89) v1(17.3,8.36) v1(17.48,28.4) v1(17.59,35.37) v1(17.98,41.53) v1(18.14,50.6) v1(18.11,49.58) v1(18.14,47.65) v1(18.31,29.18) v1(18.29,27.64) v1(18.44,19.11) v1(18.47,20) v1(18.69,43.26) v1(18.68,34.65) v1(18.68,32.1) v1(18.82,45.6) v1(18.79,18.12) v1(18.87,41.23) v1(19.26,41.66) v1(19.34,4.91) v1(19.55,42.52) v1(19.84,11.99) v1(19.84,9.73) v1(19.79,6.85) v1(19.86,31.88) v1(19.86,18.63) v1(19.89,11.2) v1(20.04,44.38) v1(20.06,37.15) v1(20.59,31.02) v1(20.72,14.18) v1(20.97,38.5) v1(21.13,36.51) v1(21.34,21.64) v1(21.7,39.49) v1(21.93,25.72) v1(22.17,36.41) v1(22.23,8.03) v1(22.52,44.79) v1(22.47,14.76) v1(22.7,25.72) v1(22.7,24.96) v1(22.79,35.12) v1(22.8,33.66) v1(22.99,29.41) v1(23.06,43.41) v1(23.5,42.34) v1(23.46,25.72) v1(23.46,24.96) v1(23.46,24.2) v1(23.46,23.44) v1(23.46,22.67) v1(23.6,7.39) v1(23.7,44.63) v1(23.86,13.46) v1(23.88,8.1) v1(24.11,39.49) v1(24.07,38.48) v1(24.24,29.46) v1(24.22,25.72) v1(24.22,24.96) v1(24.22,24.2) v1(24.22,23.44) v1(24.22,22.67) v1(24.38,41.99) v1(24.54,37.47) v1(24.56,18.02) v1(24.73,40.77) v1(24.82,42.9) v1(24.8,31.68) v1(24.98,26.48) v1(24.98,25.72) v1(24.98,24.96) v1(24.98,24.2) v1(24.98,23.44) v1(24.98,22.67) v1(25.02,14.69) v1(25.35,16.88) v1(25.25,15.64) v1(25.3,13.28) v1(25.48,38.73) v1(25.46,17.99) v1(25.68,31.86) v1(25.74,26.48) v1(25.74,25.72) v1(25.74,24.96) v1(25.74,24.2) v1(25.74,23.44) v1(25.74,22.67) v1(25.79,31.31) v1(25.86,8.1) v1(26.1,12.08) v1(26.32,18) v1(26.32,16.87) v1(26.44,26.47) v1(26.52,37.92) v1(26.51,25.72) v1(26.51,24.96) v1(26.51,24.2) v1(26.51,23.44) v1(26.58,9.39) v1(26.7,40.87) v1(26.79,14.69) v1(26.87,42.93) v1(27.03,39.52) v1(27.21,26.47) v1(27.28,41.68) v1(27.27,25.72) v1(27.27,24.96) v1(27.27,24.2) v1(27.33,11.46) v1(27.56,8.15) v1(27.85,13.58) v1(27.79,5.12) v1(27.91,44.6) v1(27.91,14.71) v1(27.99,33.78) v1(28.22,7.62) v1(28.33,6.61) v1(28.65,38.36) v1(28.61,26.68) v1(28.6,11.54) v1(28.7,42.72) v1(28.73,22.71) v1(28.71,13.57) v1(28.8,41.91) v1(28.93,43.94) v1(29.02,15.67) v1(29.31,39.88) v1(29.36,8.33) v1(29.41,5.67) v1(29.64,31.17) v1(29.67,36.7) v1(29.84,44.65) v1(30.05,42.21) v1(29.97,14.88) v1(30.14,11.55) v1(30.22,16.88) v1(30.33,8.74) v1(30.37,7.44) v1(30.44,4.97) v1(30.53,32.9) v1(30.52,6.62) v1(30.58,29.59) v1(30.66,37.44) v1(30.69,14.88) v1(30.84,24.37) v1(30.89,41.1) v1(30.92,5.79) v1(31.01,42.9) v1(31.06,35.13) v1(31.06,34.14) v1(31.06,10.21) v1(31.26,23.26) v1(31.3,11.56) v1(31.55,38.33) v1(31.45,19.29) v1(31.48,15.56) v1(31.72,36.33) v1(31.8,16.91) v1(32,24.1) v1(32.34,18.38) v1(32.36,10.13) v1(32.44,8.71) v1(32.4,7.83) v1(32.44,7.29) v1(32.42,5.87) v1(32.47,11.46) v1(32.56,24.06) v1(32.66,37.31) v1(32.74,31.35) v1(32.75,31.97) v1(33.05,42.95) v1(32.99,23.26) v1(33.07,40.7) v1(33.15,35.08) v1(33.09,7.35) v1(33.13,5.87) v1(33.2,17.58) v1(33.43,29.69) v1(33.4,8.69) v1(33.45,15.56) v1(33.57,31.3) v1(33.59,7.82) v1(33.93,25.68) v1(34.23,23.8) v1(34.16,7.83) v1(34.34,32.64) v1(34.52,44.76) v1(34.47,14.07) v1(34.62,36.2) v1(34.61,23.31) v1(34.76,18.85) v1(35.04,45.37) v1(35.1,8.69) v1(35.33,38.56) v1(35.31,19.95) v1(35.33,14.04) v1(35.35,20.99) v1(35.56,25.78) v1(36.13,8.44) v1(36.18,36.19) v1(36.18,35.43) v1(36.18,34.67) v1(36.2,5.35) v1(36.38,11.45) v1(36.52,26.23) v1(36.69,21.01) v1(36.81,25.5) v1(36.78,8.46) v1(36.94,37.72) v1(36.94,36.95) v1(36.94,36.19) v1(36.94,35.43) v1(36.94,34.67) v1(37.31,26.11) v1(37.26,18.85) v1(37.43,23.09) v1(37.7,36.95) v1(37.7,36.19) v1(37.7,35.43) v1(37.7,34.67) v1(37.69,5.74) v1(37.82,8.76) v1(38.1,45.61) v1(38.2,21.01) v1(38.35,8.48) v1(38.46,37.72) v1(38.46,36.95) v1(38.46,36.19) v1(38.46,35.43) v1(38.46,34.67) v1(38.54,15.07) v1(38.56,19.96) v1(38.94,39.6) v1(39.01,5.36) v1(39.14,17.53) v1(39.23,35.43) v1(39.23,34.67) v1(39.3,18.85) v1(39.28,12.76) v1(39.37,9.58) v1(39.47,45.97) v1(39.65,33.1) v1(39.61,14.33) v1(40.03,22.5) v1(39.99,15.42) v1(40.17,39.21) v1(40.21,1.02) v1(40.44,61.14) v1(40.46,57.15) v1(40.5,45.81) v1(40.54,33.02) v1(40.49,12.8) v1(40.51,5.44) v1(40.55,25) v1(40.56,10.87) v1(40.67,8.46) v1(40.77,17.24) v1(40.94,60.5) v1(40.92,21.56) v1(40.97,13.51) v1(41.13,14.62) v1(41.62,19.98) v1(41.63,8.82) v1(41.65,10.78) v1(41.95,12.7) v1(41.88,11.89) v1(42.01,61.01) v1(42.04,34.39) v1(42.06,4.24) v1(42.18,46.24) v1(42.52,47.02) v1(42.59,17.5) v1(42.62,16.66) v1(42.7,15.62) v1(42.73,9.13) v1(42.81,27.23) v1(42.85,19.56) v1(42.9,21.03) v1(42.9,4.85) v1(42.98,0.99) v1(43.08,60.96) v1(43.89,49.45) v1(43.95,37.86) v1(44.12,29.24) v1(44.15,2.82) v1(44.22,48.36) v1(44.37,61.06) v1(44.39,51.06) v1(44.44,27.9) v1(44.62,17.37) v1(45.03,28.93) v1(45.11,30.35) v1(45.14,26.92) v1(45.17,37.19) v1(45.49,59.97) v1(45.49,56.57) v1(45.47,22.83) v1(45.57,58.83) v1(45.62,33.32) v1(45.69,0.81) v1(45.85,7.83) v1(46,30.3) v1(46.15,33.32) v1(46.38,7.14) v1(46.35,5.74) v1(46.63,42.14) v1(46.61,19.34) v1(46.66,37.92) v1(46.74,36.63) v1(46.73,16.89) v1(47.24,13.72) v1(47.49,16.93) v1(47.84,8.31) v1(47.9,0.89) v1(48.05,14.71) v1(48.21,33.3) v1(48.19,32.71) v1(48.39,30.51) v1(48.45,13.7) v1(48.39,6.6) v1(48.51,41.79) v1(48.52,40.61) v1(48.56,40.04) v1(48.79,39.55) v1(48.82,37.52) v1(48.87,39.01) v1(48.99,46.3) v1(48.97,31.09) v1(49.1,9.91) v1(49.25,55.28) v1(49.24,10.42) v1(49.54,46.22) v1(49.51,45.56) v1(49.75,48.66) v1(49.86,44.47) v1(49.99,3.17) v1(50.19,17.17) v1(50.29,58.07) v1(50.3,48.69) v1(50.32,6.12) v1(50.89,41.38) v1(50.93,7.42) v1(50.96,57.76) v1(50.95,49.02) v1(51,48.36) v1(50.98,43.93) v1(51.05,41.89) v1(51.04,18.32) v1(51.02,17.36) v1(51.12,58.5) v1(51.16,55.51) v1(51.17,54.94) v1(51.17,40.91) v1(51.21,11.84) v1(51.23,9.91) v1(51.26,3.28)
